# Altium PCB 全兼容主控.PCBDOC (part 9 of 9)
Units mil, origin at the board's own origin, x right, y up, seen from the top; angles counter-clockwise.
Board outline 7562.36 x 15046.55 mil, 2 copper layers (TopLayer, BottomLayer); 375 components, 257 nets, 1094 pads, 839 vias.
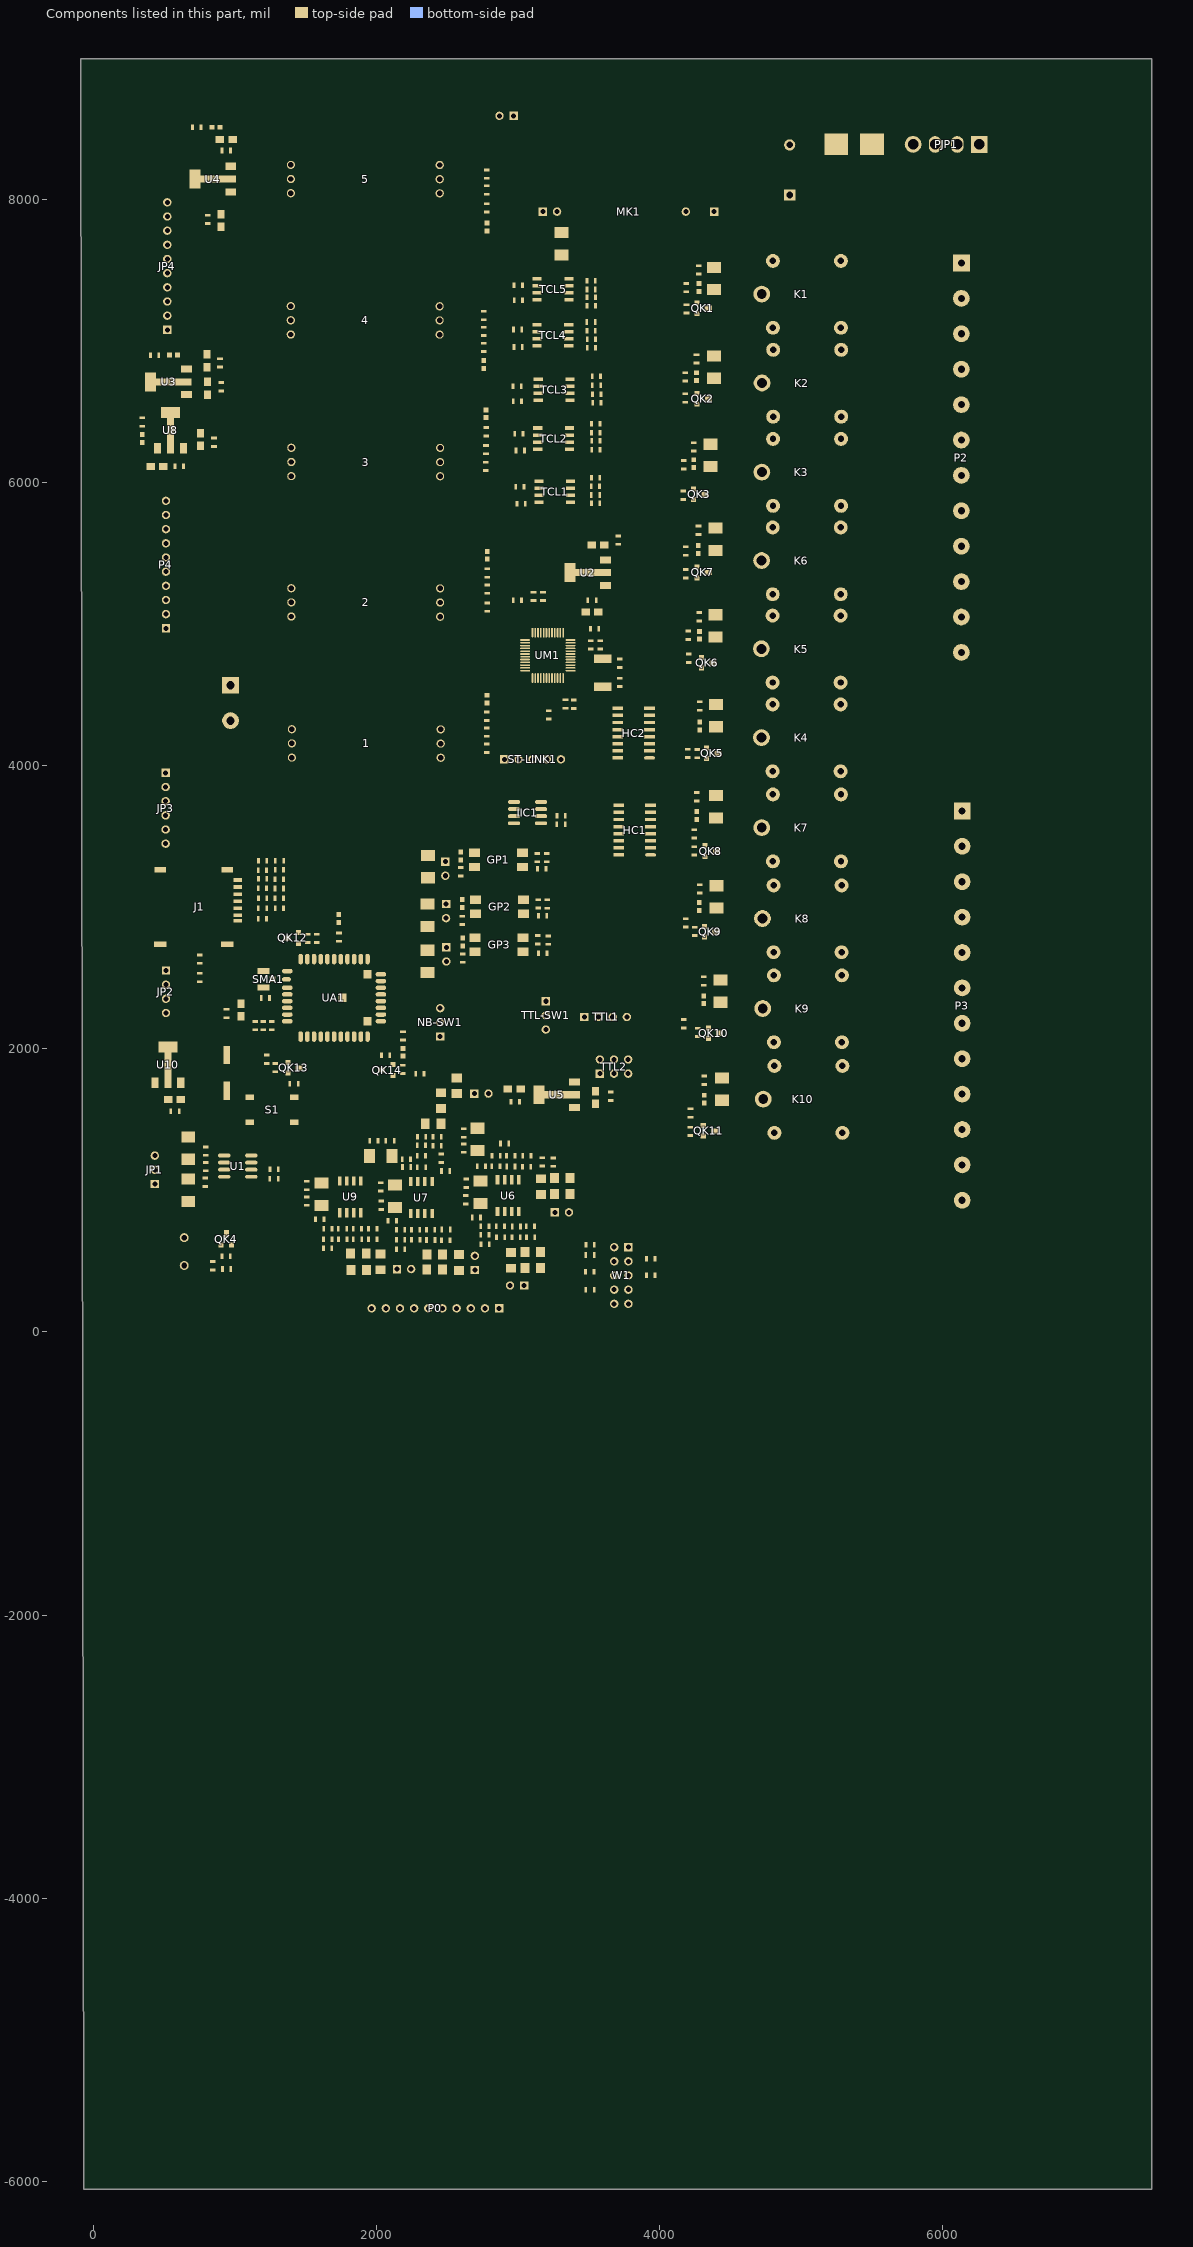
[diagram p9: the components of this part, seen from the top]

## Silkscreen, mask and mechanical layers (free items; w line width, h text height)
TopOverlay:
  drawing of 789 lines, arcs and shapes, not listed
  text "GND" at 2859.02,8438.46 h25 r90
  text "12V" at 2983.85,8437.04 h25 r90
  text "GND" at 2306.86,8232.04 h30
  text "GND" at 1471.02,8229.34 h30
  text "2.5V" at 652.89,8220.67 h30
  text "12V" at 1468.87,8027.96 h30
  text "5V" at 2332.43,8021.59 h30
  text "4-20mA连接座" at 238.55,8020.07 h170 r270
  text "4-20mA-5" at 621.37,7970.28 h30
  text "GND" at 619.24,7865.83 h30
  text "12V" at 3259.72,7834.72 h25
  text "4-20mA-4" at 623.5,7762.44 h30
  text "GND" at 634.16,7653.73 h30
  text "4-20mA-3" at 628.83,7559.94 h30
  text "12V" at 4677.67,7558.52 h25
  text "220V-L" at 5546.24,7508.1 h80
  text "GND" at 630.96,7461.88 h30
  text "4-20mA-2" at 624.57,7363.83 h30
  text "220V电源" at 6775.34,7272.31 h110 r90
  text "N" at 5878.49,7271.05 h80
  text "GND" at 626.7,7261.51 h30
  text "GND" at 1471.02,7235.12 h30
  text "GND" at 2294.99,7233.32 h30
  text "4-20mA-1" at 626.7,7163.45 h30
  text "GND" at 633.1,7065.4 h30
  text "12V" at 1476.11,7031.13 h30
  text "5V" at 2321.48,7022.18 h30
  text "220V-L" at 5549.96,7005.72 h80
  text "12V" at 4680.66,6920.33 h25
  text "5V" at 378.2,6802.81 h30
  text "N" at 5897.92,6758.1 h80
  text "220V遥控" at 6787.35,6728.8 h110 r90
  text "220V-L1" at 5496.43,6519.85 h80
  text "5V" at 621.25,6487.76 h30
  text "12V" at 4677.23,6303.98 h25
  text "风机" at 6785.4,6295.51 h150 r90
  text "增强版" at 4009.19,6250.07 h300 r90
  text "N" at 5917.35,6249.04 h80
  text "GND" at 1450.53,6228.67 h30
  text "GND" at 2306.86,6224.71 h30
  text "5V" at 2325.25,6033.58 h30
  text "12V" at 1473.48,6025.6 h30
  text "220V-L2" at 5463.76,6012.19 h80
  text "数码管连接座" at 241.03,5903.03 h170 r270
  text "机房风扇" at 6797.05,5761.18 h100 r90
  text "N" at 5905.69,5755.51 h80
  text "12V" at 4672.08,5666.23 h25
  text "JDQK21" at 5550.7,5509.57 h80
  text "3.3V" at 3295.96,5444.48 h30
  text "JDQK22" at 5546.92,5258.44 h80
  text "铁芯报警" at 6804.83,5240.47 h100 r90
  text "GND" at 1456.46,5235.88 h30
  text "GND" at 2302.9,5231.92 h30
  text "3.3V" at 584.9,5155.98 h30
  text "GND" at 579.77,5055.66 h30
  text "12V" at 4670.36,5042.81 h25
  text "12V" at 1473.48,5033.99 h30
  text "5V" at 2327.14,5026.39 h30
  text "JDQK31" at 5550.7,5009.57 h80
  text "5V" at 591.36,4949.53 h30
  text "JDQK32" at 5546.92,4758.44 h80
  text "超温跳闸" at 6810.66,4752.77 h100 r90
  text "复用" at 232.19,4751.78 h150 r270
  text "门禁" at 410.86,4747.08 h150 r270
  text "BWDK-F(大)" at 4015.3,4682.89 h300 r90
  text "K1" at 1131.9,4526.62 h60 r90
  text "12V" at 4665.47,4415.79 h25
  text "K2" at 1135.1,4263.36 h60 r90
  text "GND" at 1464.55,4241.49 h30
  text "GND" at 2314.45,4240 h30
  text "特变电子" at 5443.33,4073.85 h300
  text "12V" at 1484.54,4037.96 h30
  text "5V" at 2327.14,4033.22 h30
  text "门禁3路座" at 224.04,4013.4 h150 r270
  text "PA14" at 3293.18,3985.28 h25 r270
  text "NRST" at 3096.15,3983.1 h25 r270
  text "GND" at 2987.15,3982.8 h25 r270
  text "3.3V" at 2891.13,3979.93 h25 r270
  text "PA13" at 3194.58,3978.01 h25 r270
  text "K1" at 650.25,3939.51 h30
  text "K2" at 651.13,3839.51 h30
  text "12V" at 4673.01,3780.02 h25
  text "K3" at 653.47,3734.73 h30
  text "JDQK41" at 5555.84,3639.99 h80
  text "K4" at 656.01,3631.57 h30
  text "K5" at 659.01,3533.5 h30
  text "K6" at 660.41,3433.96 h30
  text "万能输出" at 6802.89,3412.1 h100 r90
  text "JDQK42" at 5552.07,3388.87 h80
  text "JDQK51" at 5555.84,3139.99 h80
  text "12V" at 4683.07,3137.9 h25
  text "超温报警" at 6818.43,2897.2 h100 r90
  text "JDQK52" at 5552.07,2888.87 h80
  text "JDQK81" at 5555.84,2639.99 h80
  text "温湿度座" at 226.37,2625.9 h130 r270
  text "3.3V" at 619.99,2543.29 h30
  text "12V" at 4680.55,2513.3 h25
  text "PB12" at 614.56,2442.89 h30
  text "JDQK82" at 5552.07,2388.87 h80
  text "万能输出" at 6818.43,2368.71 h100 r90
  text "3.3V" at 3012.33,2314.75 h30
  text "GND" at 3776.01,2297.49 h30 r90
  text "U1RX" at 3686.01,2295.48 h30 r90
  text "U1TX" at 3584.76,2293.35 h30 r90
  text "GND" at 625.48,2238.33 h30
  text "JDQK61" at 5555.84,2139.99 h80
  text "5V" at 3035.45,2114.67 h30
  text "U1RX" at 3693.06,1994.24 h30 r90
  text "U1TX" at 3591.81,1992.1 h30 r90
  text "GND" at 3793.06,1989.47 h30 r90
  text "JDQK62" at 5552.07,1888.87 h80
  text "12V" at 4688.09,1862.51 h25
  text "故障报警" at 6822.32,1857.7 h100 r90
  text "5V" at 3124.98,1764.02 h30
  text "PT4" at 2705.27,1758.86 h30 r90
  text "GND" at 2812.5,1743.49 h30 r90
  text "GND" at 3796.26,1680.38 h30 r90
  text "JDQK71" at 5555.84,1639.99 h80
  text "JDQK72" at 5552.07,1388.87 h80
  text "485座" at 211.05,1328.64 h150 r270
  text "温湿度控制" at 6826.21,1327.27 h100 r90
  text "A" at 536.67,1247.11 h40
  text "JDQK91" at 5555.84,1139.99 h80
  text "B" at 537.47,1131.02 h40
  text "GND" at 525.46,1025.32 h30
  text "JDQK92" at 5552.07,888.87 h80
  text "备用测温" at 6818.43,849.29 h100 r90
  text "GND" at 3371.18,703.84 h30 r90
  text "PT2" at 3277.89,693.66 h30 r90
  text "GND" at 3838.14,583.74 h30
  text "GND" at 2757.27,538.49 h30
  text "PT5" at 2104.51,506.41 h30
  text "PT3" at 2757.89,404.47 h30
  text "PT3" at 2483.78,266.51 h30 r90
  text "PT4" at 2269.46,263.62 h30 r90
  text "GND" at 2179.28,260.91 h30 r90
  text "PT2" at 2682.24,260.91 h30 r90
  text "PT1" at 2877.09,260.84 h30 r90
  text "GND" at 2585.24,259.51 h30 r90
  text "PT5" at 2081.15,257.6 h30 r90
  text "GND" at 2781.79,256.87 h30 r90
  text "GND" at 2379.42,255.54 h30 r90
  text "GND" at 1975.73,249.59 h30 r90
  text "PT1" at 3065.38,197.65 h30 r90
  text "3.3V" at 3493.15,177.2 h30
  text "PT100温度传感器座" at 2006.46,14.98 h100
BottomOverlay:
  circle w0.25: c6673.23,4350.39 r0.12

## Text inside footprints (layer, text, board x,y; h text height)
1: BottomOverlay "5V" at 2377.99,4014.39 h60; BottomOverlay "Vin" at 2378.9,4127.06 h60; BottomOverlay "G" at 1320.23,4235.4 h60; BottomOverlay "lout" at 1321.76,4137.71 h60; BottomOverlay "V+" at 1328.63,4021.71 h60; BottomOverlay "G" at 2374.41,4238.13 h60
2: BottomOverlay "5V" at 2373.93,5010.41 h60; BottomOverlay "Vin" at 2374.85,5123.08 h60; BottomOverlay "G" at 1316.17,5231.42 h60; BottomOverlay "lout" at 1317.7,5133.73 h60; BottomOverlay "V+" at 1324.57,5017.73 h60; BottomOverlay "G" at 2370.35,5234.14 h60
3: BottomOverlay "5V" at 2373.93,6002.35 h60; BottomOverlay "Vin" at 2374.85,6115.02 h60; BottomOverlay "G" at 1316.17,6223.36 h60; BottomOverlay "lout" at 1317.7,6125.67 h60; BottomOverlay "V+" at 1324.57,6009.67 h60; BottomOverlay "G" at 2370.35,6226.09 h60
4: BottomOverlay "5V" at 2370.27,7002.83 h60; BottomOverlay "Vin" at 2371.19,7115.5 h60; BottomOverlay "G" at 1312.51,7223.84 h60; BottomOverlay "lout" at 1314.04,7126.15 h60; BottomOverlay "V+" at 1320.91,7010.15 h60; BottomOverlay "G" at 2366.69,7226.56 h60
5: BottomOverlay "5V" at 2370.7,8000.46 h60; BottomOverlay "Vin" at 2371.61,8113.13 h60; BottomOverlay "G" at 1312.94,8221.47 h60; BottomOverlay "lout" at 1314.47,8123.78 h60; BottomOverlay "V+" at 1321.33,8007.78 h60; BottomOverlay "G" at 2367.12,8224.2 h60
J1: TopOverlay "CLK" at 904.48,3175.7 h25; TopOverlay "I/O" at 912.91,3126.04 h25; TopOverlay "RST" at 901.82,3074.6 h25; TopOverlay "VPP" at 900.37,3026.47 h25; TopOverlay "VCC" at 897.76,2982.31 h25; TopOverlay "GND" at 897.36,2931.19 h25; TopOverlay "CD-PIN" at 857.44,2891.26 h25
K1: TopOverlay "C" at 5155.48,7536.47 h25; TopOverlay "O" at 5153.31,7059.99 h25
K2: TopOverlay "C" at 5157.34,6908.47 h25; TopOverlay "O" at 5155.17,6431.99 h25
K3: TopOverlay "C" at 5156.43,6279.02 h25; TopOverlay "O" at 5154.26,5802.54 h25
K4: TopOverlay "C" at 5153.46,4403.92 h25; TopOverlay "O" at 5151.29,3927.45 h25
K5: TopOverlay "C" at 5153.07,5030.94 h25; TopOverlay "O" at 5150.9,4554.46 h25
K6: TopOverlay "C" at 5154.07,5654.35 h25; TopOverlay "O" at 5151.9,5177.88 h25
K7: TopOverlay "C" at 5155.55,3768.15 h60; TopOverlay "O" at 5153.38,3291.68 h60
K8: TopOverlay "C" at 5160.47,3126.03 h60; TopOverlay "O" at 5158.3,2649.55 h60
K9: TopOverlay "C" at 5162.11,2490.49 h60; TopOverlay "O" at 5159.94,2014.01 h60
K10: TopOverlay "C" at 5165.8,1850.64 h60; TopOverlay "O" at 5163.63,1374.16 h60
MK1: TopOverlay "-" at 3167.1,8117.43 h25 r180; TopOverlay "+" at 3259.88,8150.17 h25 r180; TopOverlay "N" at 4342.1,8174.4 h25 r180; TopOverlay "L" at 4067.68,7892.17 h25
W1: BottomOverlay "5V" at 3918.97,167.77 h25; BottomOverlay "GND" at 3960.15,269.27 h25; BottomOverlay "RST" at 3959.94,370.77 h25; BottomOverlay "INT" at 3955.05,471.69 h25; BottomOverlay "GND" at 3960.15,573.77 h25; BottomOverlay "SCLK" at 3607.74,569.04 h25; BottomOverlay "SCS" at 3602.64,466.96 h25; BottomOverlay "MOSI" at 3607.52,366.04 h25; BottomOverlay "MISO" at 3607.74,264.54 h25; BottomOverlay "3.3V" at 3566.55,163.04 h25